# KiCad board BACKUP_PCB.kicad_pcb (continued)
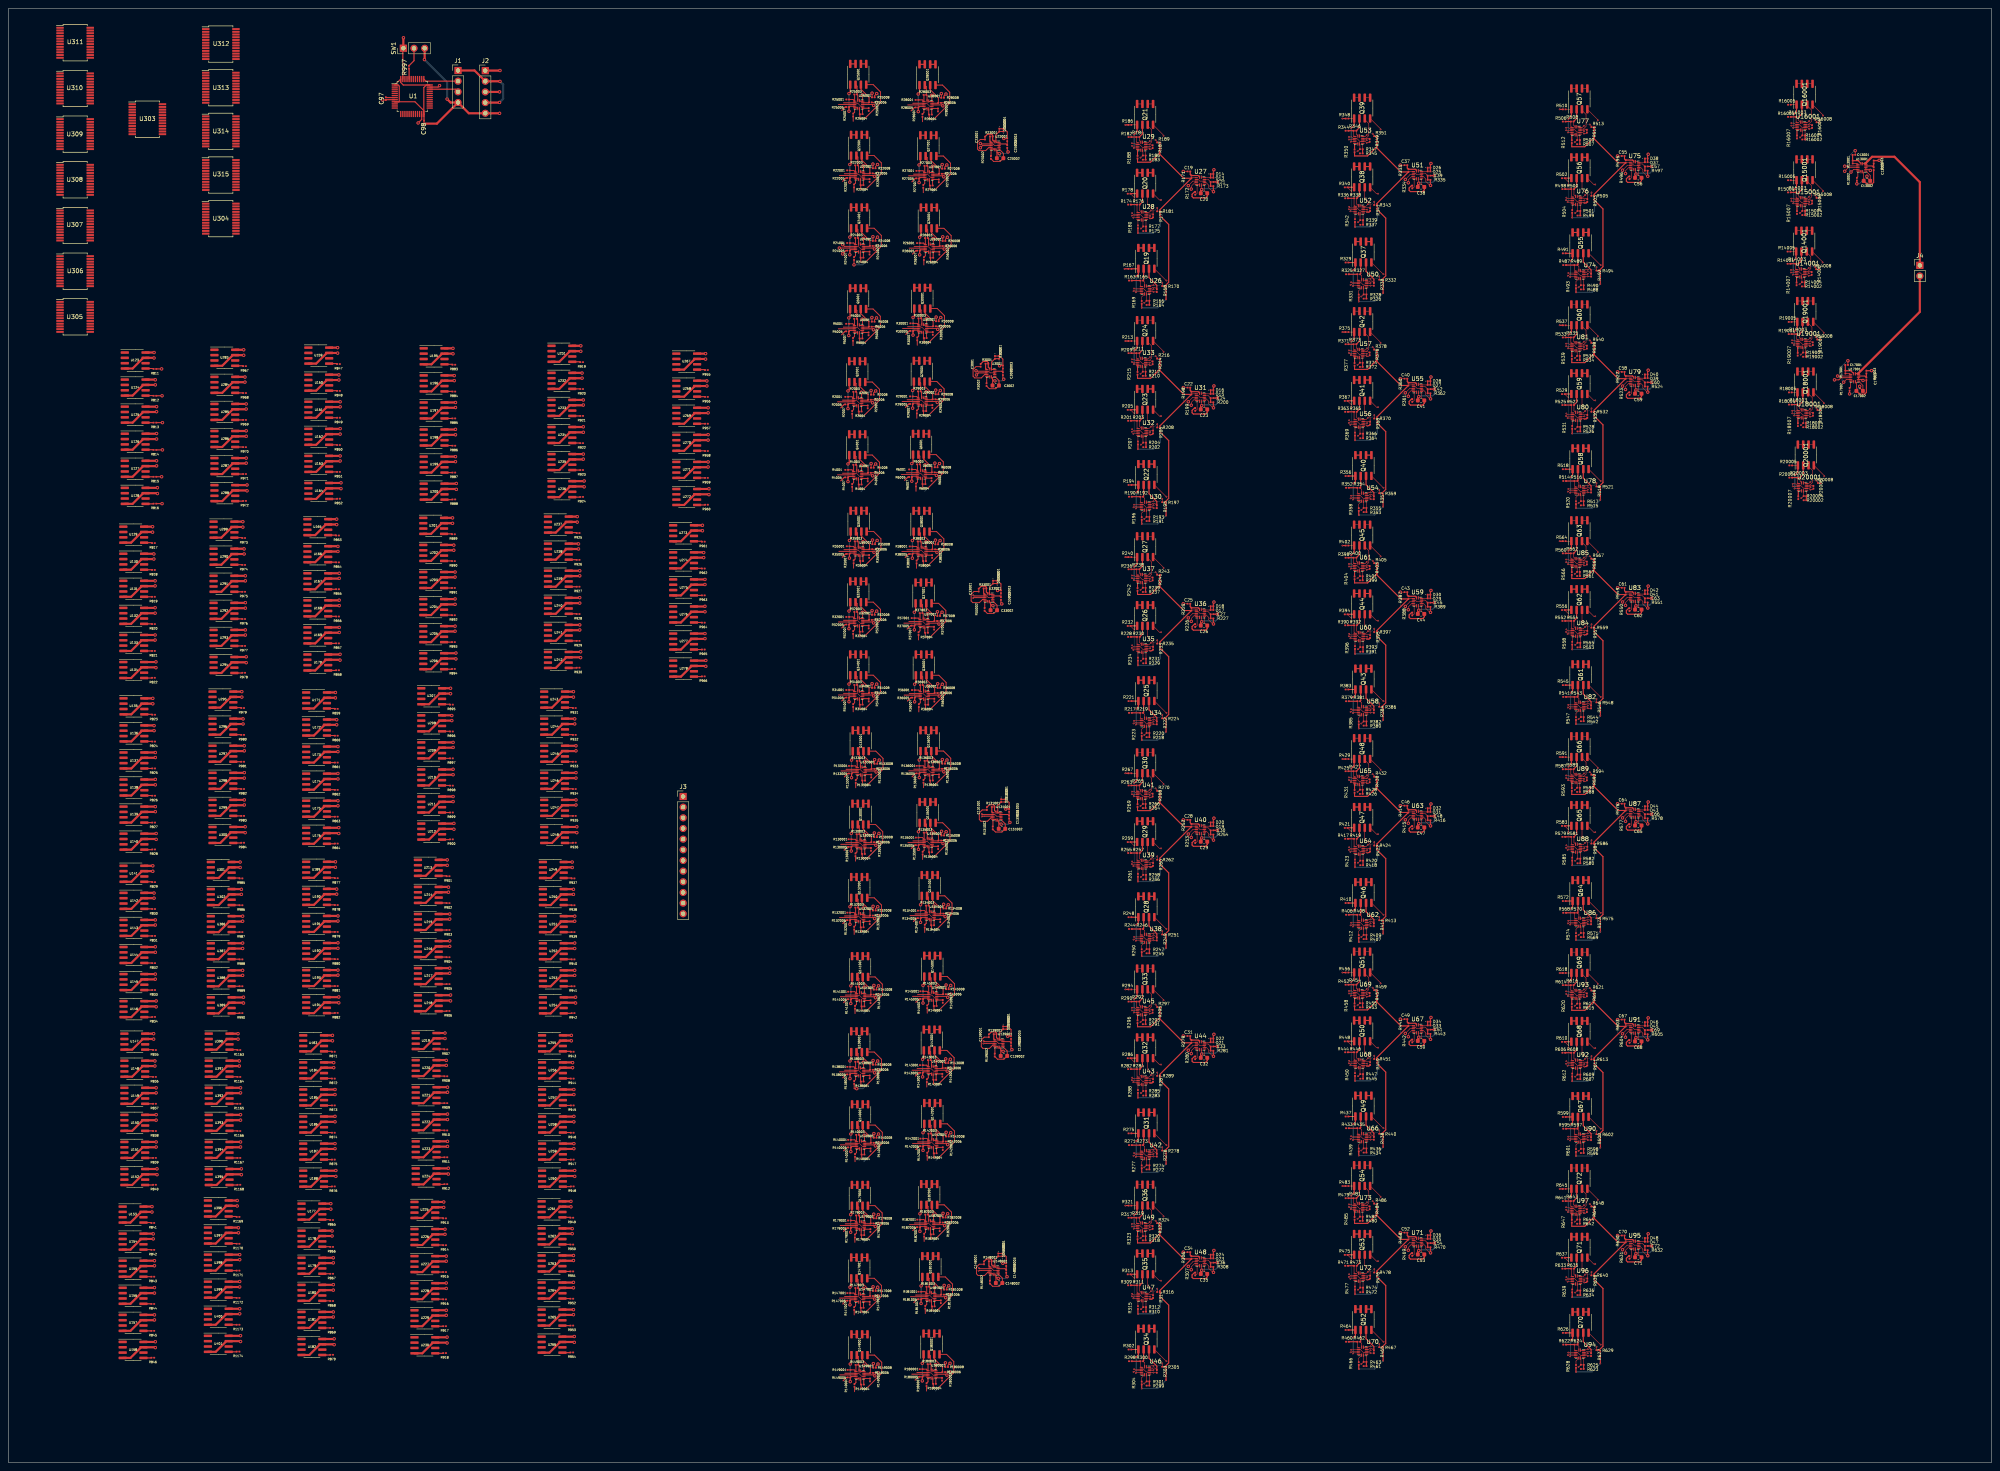
[diagram p0: board, top side]
## Routing (per net, layer and track width the routed paths; a pad name or vN(x,y) marks a point on that pad's centre or on a via; arc(x,y) is an arc through that point) (continued)
Net-(Q18001A-G1): length 4.6
  Top w0.1: R18003.2 426.68,251.23 U18001.14
  Top w0.25: Q18001.2 427.42,252.84 R18003.2
Net-(Q18001A-S1): length 8.2
  Top w0.1: R18005.2 426.13,255 ; v1(425.36,249.5) U18001.4
  Top w0.25: v1(425.46,252.7) 426.15,253.39 Q18001.1
  Bottom w0.25: v1(425.36,249.5) 425.46,249.6 v1(425.46,252.7)
Net-(Q18001B-G2): length 15.1
  Top w0.1: v1(432.46,252.4) 432.46,252.53 Q18001.4 ; U18001.7 427.54,248.87 R18004.2 427.04,247.2 v1(426.96,247.2)
  In1.Cu w0.1: v1(426.96,247.2) 430.16,247.2 432.46,249.5 v1(432.46,252.4)
Net-(Q18001B-S2): length 6.9
  Top w0.1: 428.96,250.3 428.99,250.3 429.66,250.96 429.66,253.79 428.69,254.75 ; 428.96,250.3 U18001.11 ; 428.96,250.3 429.48,250.3 429.66,250.12 R18006.2
Net-(Q19001A-G1): length 4.6
  Top w0.1: R19003.2 426.63,268.03 U19001.14
  Top w0.25: Q19001.2 427.37,269.64 R19003.2
Net-(Q19001A-S1): length 8.2
  Top w0.1: v1(425.31,266.3) U19001.4 ; R19005.2 426.08,271.8
  Top w0.25: Q19001.1 426.1,270.19 v1(425.41,269.5)
  Bottom w0.25: v1(425.31,266.3) 425.41,266.4 v1(425.41,269.5)
Net-(Q19001B-G2): length 15.1
  Top w0.1: Q19001.4 432.41,269.33 v1(432.41,269.2) ; U19001.7 427.49,265.67 R19004.2 426.99,264 v1(426.91,264)
  In1.Cu w0.1: v1(426.91,264) 430.11,264 432.41,266.3 v1(432.41,269.2)
Net-(Q19001B-S2): length 6.9
  Top w0.1: 428.91,267.1 429.43,267.1 429.61,266.92 R19006.2 ; 428.91,267.1 U19001.11 ; 428.91,267.1 428.94,267.1 429.61,267.76 429.61,270.59 428.64,271.55
Net-(Q20001A-G1): length 4.6
  Top w0.1: R20003.2 426.78,233.83 U20001.14
  Top w0.25: Q20001.2 427.52,235.44 R20003.2
Net-(Q20001A-S1): length 8.2
  Top w0.1: R20005.2 426.23,237.6 ; v1(425.46,232.1) U20001.4
  Top w0.25: v1(425.56,235.3) 426.25,235.99 Q20001.1
  Bottom w0.25: v1(425.46,232.1) 425.56,232.2 v1(425.56,235.3)
Net-(Q20001B-G2): length 15.1
  Top w0.1: v1(427.06,229.8) 427.14,229.8 R20004.2 427.64,231.47 U20001.7 ; v1(432.56,235) 432.56,235.13 Q20001.4
  In1.Cu w0.1: v1(427.06,229.8) 430.26,229.8 432.56,232.1 v1(432.56,235)
Net-(Q20001B-S2): length 6.9
  Top w0.1: R20006.2 429.76,232.72 429.58,232.9 429.06,232.9 ; 429.06,232.9 429.09,232.9 429.76,233.56 429.76,236.39 428.79,237.35 ; 429.06,232.9 U20001.11
Net-(Q22001A-G1): length 4
  Top w0.2: Q22001.2 202.35,311.07 R22003.2 202.53,308.92 U22001.14
Net-(Q22001A-S1): length 8.9
  Top w0.2: U22001.4 200.65,306.3 R22005.2
  Top w0.25: R22005.2 200.43,306.08 v2(200.43,305.1) ; Q22001.1 200.72,309.6 v2(200.43,309.3)
  Bottom w0.25: v2(200.43,309.3) v2(200.43,305.1)
Net-(Q22001B-G2): length 15.5
  Top w0.2: U22001.7 202.93,304.48 R22004.2 203.03,304.38 203.03,303.4 204.22,303.4 207.93,307.11 207.93,309.7 206.2,311.43 Q22001.4
Net-(Q22001B-S2): length 6.6
  Top w0.2: Q22001.3 203.26,310.35 205.21,308.41 R22006.2 205.11,307.1 U22001.11
Net-(Q24001A-G1): length 4
  Top w0.2: U24001.14 202.53,291.62 R24003.2 202.35,293.77 Q24001.2
Net-(Q24001A-S1): length 8.9
  Top w0.2: U24001.4 200.65,289 R24005.2
  Top w0.25: R24005.2 200.43,288.78 v2(200.43,287.8) ; v2(200.43,292) 200.72,292.3 Q24001.1
  Bottom w0.25: v2(200.43,292) v2(200.43,287.8)
Net-(Q24001B-G2): length 15.5
  Top w0.2: Q24001.4 206.2,294.12 207.93,292.4 207.93,289.81 204.22,286.1 203.03,286.1 203.03,287.08 R24004.2 202.93,287.18 U24001.7
Net-(Q24001B-S2): length 6.6
  Top w0.2: U24001.11 205.11,289.8 R24006.2 205.21,291.11 203.26,293.05 Q24001.3
Net-(Q25001A-G1): length 4
  Top w0.2: U25001.14 202.33,325.82 R25003.2 202.15,327.97 Q25001.2
Net-(Q25001A-S1): length 8.9
  Top w0.2: U25001.4 200.45,323.2 R25005.2
  Top w0.25: Q25001.1 200.52,326.5 v2(200.23,326.2) ; R25005.2 200.23,322.98 v2(200.23,322)
  Bottom w0.25: v2(200.23,326.2) v2(200.23,322)
Net-(Q25001B-G2): length 15.5
  Top w0.2: Q25001.4 206,328.32 207.73,326.6 207.73,324.01 204.02,320.3 202.83,320.3 202.83,321.28 R25004.2 202.73,321.38 U25001.7
Net-(Q25001B-S2): length 6.6
  Top w0.2: U25001.11 204.91,324 R25006.2 205.01,325.31 203.06,327.25 Q25001.3
Net-(Q26001A-G1): length 4
  Top w0.2: U26001.14 219.16,291.6 R26003.2 218.98,293.75 Q26001.2
Net-(Q26001A-S1): length 8.9
  Top w0.2: U26001.4 217.28,288.98 R26005.2
  Top w0.25: v2(217.06,291.98) 217.36,292.27 Q26001.1 ; v2(217.06,287.77) 217.06,288.75 R26005.2
  Bottom w0.25: v2(217.06,291.98) v2(217.06,287.77)
Net-(Q26001B-G2): length 15.5
  Top w0.2: U26001.7 219.56,287.15 R26004.2 219.66,287.06 219.66,286.07 220.85,286.07 224.56,289.79 224.56,292.38 222.84,294.1 Q26001.4
Net-(Q26001B-S2): length 6.6
  Top w0.2: U26001.11 221.74,289.77 R26006.2 221.84,291.08 219.9,293.03 Q26001.3
Net-(Q27001A-G1): length 4
  Top w0.2: Q27001.2 218.85,310.97 R27003.2 219.03,308.82 U27001.14
Net-(Q27001A-S1): length 8.9
  Top w0.2: R27005.2 217.15,306.2 U27001.4
  Top w0.25: R27005.2 216.93,305.98 v2(216.93,305) ; Q27001.1 217.22,309.5 v2(216.93,309.2)
  Bottom w0.25: v2(216.93,309.2) v2(216.93,305)
Net-(Q27001B-G2): length 15.5
  Top w0.2: Q27001.4 222.7,311.32 224.43,309.6 224.43,307.01 220.72,303.3 219.53,303.3 219.53,304.28 R27004.2 219.43,304.38 U27001.7
Net-(Q27001B-S2): length 6.6
  Top w0.2: Q27001.3 219.76,310.25 221.71,308.31 R27006.2 221.61,307 U27001.11
Net-(Q28001A-G1): length 4
  Top w0.2: Q28001.2 218.65,327.87 R28003.2 218.83,325.72 U28001.14
Net-(Q28001A-S1): length 8.9
  Top w0.2: R28005.2 216.95,323.1 U28001.4
  Top w0.25: R28005.2 216.73,322.88 v2(216.73,321.9) ; v2(216.73,326.1) 217.02,326.39 Q28001.1
  Bottom w0.25: v2(216.73,326.1) v2(216.73,321.9)
Net-(Q28001B-G2): length 15.5
  Top w0.2: U28001.7 219.23,321.28 R28004.2 219.33,321.18 219.33,320.2 220.52,320.2 224.23,323.91 224.23,326.5 222.5,328.23 Q28001.4
Net-(Q28001B-S2): length 6.6
  Top w0.2: Q28001.3 219.56,327.15 221.51,325.21 R28006.2 221.41,323.9 U28001.11
Net-(Q29001A-G1): length 4
  Top w0.2: U29001.14 217.49,255.07 R29003.2 217.31,257.22 Q29001.2
Net-(Q29001A-S1): length 8.9
  Top w0.2: R29005.2 215.61,252.45 U29001.4
  Top w0.25: v2(215.39,251.25) 215.39,252.23 R29005.2 ; v2(215.39,255.45) 215.68,255.75 Q29001.1
  Bottom w0.25: v2(215.39,255.45) v2(215.39,251.25)
Net-(Q29001B-G2): length 15.5
  Top w0.2: U29001.7 217.89,250.63 R29004.2 217.99,250.53 217.99,249.55 219.18,249.55 222.89,253.26 222.89,255.85 221.16,257.57 Q29001.4
Net-(Q29001B-S2): length 6.6
  Top w0.2: Q29001.3 218.22,256.5 220.17,254.56 R29006.2 220.07,253.25 U29001.11
Net-(Q30001A-G1): length 4
  Top w0.2: U30001.14 217.59,272.47 R30003.2 217.41,274.62 Q30001.2
Net-(Q30001A-S1): length 8.9
  Top w0.2: R30005.2 215.71,269.85 U30001.4
  Top w0.25: R30005.2 215.49,269.63 v2(215.49,268.65) ; Q30001.1 215.78,273.14 v2(215.49,272.85)
  Bottom w0.25: v2(215.49,272.85) v2(215.49,268.65)
Net-(Q30001B-G2): length 15.5
  Top w0.2: Q30001.4 221.26,274.98 222.99,273.25 222.99,270.66 219.28,266.95 218.09,266.95 218.09,267.93 R30004.2 217.99,268.03 U30001.7
Net-(Q30001B-S2): length 6.6
  Top w0.2: U30001.11 220.17,270.65 R30006.2 220.27,271.96 218.32,273.9 Q30001.3
Net-(Q32001A-G1): length 4
  Top w0.2: Q32001.2 202.15,204.67 R32003.2 202.33,202.52 U32001.14
Net-(Q32001A-S1): length 8.9
  Top w0.2: R32005.2 200.45,199.9 U32001.4
  Top w0.25: R32005.2 200.23,199.68 v2(200.23,198.7) ; Q32001.1 200.52,203.19 v2(200.23,202.9)
  Bottom w0.25: v2(200.23,202.9) v2(200.23,198.7)
Net-(Q32001B-G2): length 15.5
  Top w0.2: U32001.7 202.73,198.08 R32004.2 202.83,197.98 202.83,197 204.02,197 207.73,200.71 207.73,203.3 206,205.03 Q32001.4
Net-(Q32001B-S2): length 6.6
  Top w0.2: Q32001.3 203.06,203.95 205.01,202.01 R32006.2 204.91,200.7 U32001.11
Net-(Q34001A-G1): length 4
  Top w0.2: U34001.14 202.33,185.12 R34003.2 202.15,187.27 Q34001.2
Net-(Q34001A-S1): length 8.9
  Top w0.2: U34001.4 200.45,182.5 R34005.2
  Top w0.25: v2(200.23,181.3) 200.23,182.28 R34005.2 ; Q34001.1 200.52,185.79 v2(200.23,185.5)
  Bottom w0.25: v2(200.23,185.5) v2(200.23,181.3)
Net-(Q34001B-G2): length 15.5
  Top w0.2: U34001.7 202.73,180.68 R34004.2 202.83,180.58 202.83,179.6 204.02,179.6 207.73,183.31 207.73,185.9 206,187.62 Q34001.4
Net-(Q34001B-S2): length 6.6
  Top w0.2: U34001.11 204.91,183.3 R34006.2 205.01,184.61 203.06,186.55 Q34001.3
Net-(Q35001A-G1): length 4
  Top w0.2: Q35001.2 202.25,221.5 R35003.2 202.43,219.34 U35001.14
Net-(Q35001A-S1): length 8.9
  Top w0.2: R35005.2 200.55,216.72 U35001.4
  Top w0.25: Q35001.1 200.63,220.02 v2(200.33,219.72) ; v2(200.33,215.53) 200.33,216.5 R35005.2
  Bottom w0.25: v2(200.33,219.72) v2(200.33,215.53)
Net-(Q35001B-G2): length 15.5
  Top w0.2: U35001.7 202.83,214.91 R35004.2 202.93,214.81 202.93,213.82 204.12,213.82 207.83,217.54 207.83,220.12 206.11,221.85 Q35001.4
Net-(Q35001B-S2): length 6.6
  Top w0.2: U35001.11 205.01,217.53 R35006.2 205.11,218.83 203.17,220.78 Q35001.3
Net-(Q36001A-G1): length 4
  Top w0.2: Q36001.2 217.78,187.25 R36003.2 217.96,185.09 U36001.14
Net-(Q36001A-S1): length 8.9
  Top w0.2: R36005.2 216.08,182.47 U36001.4
  Top w0.25: v2(215.86,185.47) 216.16,185.77 Q36001.1 ; v2(215.86,181.28) 215.86,182.25 R36005.2
  Bottom w0.25: v2(215.86,185.47) v2(215.86,181.28)
Net-(Q36001B-G2): length 15.5
  Top w0.2: U36001.7 218.36,180.66 R36004.2 218.46,180.56 218.46,179.57 219.65,179.57 223.36,183.29 223.36,185.88 221.64,187.6 Q36001.4
Net-(Q36001B-S2): length 6.6
  Top w0.2: Q36001.3 218.7,186.53 220.64,184.58 R36006.2 220.54,183.28 U36001.11
Net-(Q37001A-G1): length 4
  Top w0.2: Q37001.2 217.72,204.4 R37003.2 217.9,202.25 U37001.14
Net-(Q37001A-S1): length 8.9
  Top w0.2: U37001.4 216.02,199.62 R37005.2
  Top w0.25: v2(215.8,198.43) 215.8,199.41 R37005.2 ; Q37001.1 216.09,202.92 v2(215.8,202.62)
  Bottom w0.25: v2(215.8,202.62) v2(215.8,198.43)
Net-(Q37001B-G2): length 15.5
  Top w0.2: U37001.7 218.3,197.81 R37004.2 218.4,197.71 218.4,196.72 219.59,196.72 223.3,200.44 223.3,203.03 221.57,204.75 Q37001.4
Net-(Q37001B-S2): length 6.6
  Top w0.2: Q37001.3 218.63,203.68 220.58,201.73 R37006.2 220.48,200.43 U37001.11
Net-(Q38001A-G1): length 4
  Top w0.2: 216.89,221.82 217.25,221.47 R38003.2 217.43,219.32 U38001.14
Net-(Q38001A-S1): length 8.9
  Top w0.2: U38001.4 215.55,216.7 R38005.2
  Top w0.25: v2(215.33,219.7) 215.62,220 215.62,221.82 ; v2(215.33,215.5) 215.33,216.48 R38005.2
  Bottom w0.25: v2(215.33,219.7) v2(215.33,215.5)
Net-(Q38001B-G2): length 15.5
  Top w0.2: 219.43,221.82 221.1,221.82 222.83,220.1 222.83,217.51 219.12,213.8 217.93,213.8 217.93,214.78 R38004.2 217.83,214.88 U38001.7
Net-(Q38001B-S2): length 6.6
  Top w0.2: 218.16,221.82 218.16,220.75 220.11,218.81 R38006.2 220.01,217.5 U38001.11
Net-(Q130001A-G1): length 4
  Top w0.2: Q130001.2 202.69,151.69 R130003.2 202.87,149.54 202.87,148.28
Net-(Q130001A-S1): length 8.9
  Top w0.2: R130005.2 200.99,146.93 U130001.4
  Top w0.25: v2(200.77,145.72) 200.77,146.71 R130005.2 ; v2(200.77,149.93) 201.07,150.22 Q130001.1
  Bottom w0.25: v2(200.77,149.93) v2(200.77,145.72)
Net-(Q130001B-G2): length 15.5
  Top w0.2: Q130001.4 206.55,152.05 208.27,150.32 208.27,147.74 204.56,144.03 203.37,144.03 203.37,145 R130004.2 203.27,145.1 U130001.7
Net-(Q130001B-S2): length 6.6
  Top w0.2: U130001.11 205.45,147.72 R130006.2 205.55,149.03 203.61,150.98 Q130001.3
Net-(Q132001A-G1): length 4
  Top w0.2: U132001.14 202.57,132.07 R132003.2 202.39,134.22 Q132001.2
Net-(Q132001A-S1): length 8.9
  Top w0.2: U132001.4 200.69,129.45 R132005.2
  Top w0.25: Q132001.1 200.76,132.75 v2(200.47,132.45) ; v2(200.47,128.25) 200.47,129.23 R132005.2
  Bottom w0.25: v2(200.47,132.45) v2(200.47,128.25)
Net-(Q132001B-G2): length 15.5
  Top w0.2: U132001.7 202.97,127.63 R132004.2 203.07,127.53 203.07,126.55 204.26,126.55 207.97,130.26 207.97,132.85 206.24,134.57 Q132001.4
Net-(Q132001B-S2): length 6.6
  Top w0.2: U132001.11 205.15,130.25 R132006.2 205.25,131.56 203.3,133.5 Q132001.3
Net-(Q133001A-G1): length 4
  Top w0.2: U133001.14 202.94,167.02 R133003.2 202.76,169.17 Q133001.2
Net-(Q133001A-S1): length 8.9
  Top w0.2: R133005.2 201.06,164.4 U133001.4
  Top w0.25: v2(200.84,163.2) 200.84,164.18 R133005.2 ; v2(200.84,167.4) 201.13,167.69 Q133001.1
  Bottom w0.25: v2(200.84,167.4) v2(200.84,163.2)
Net-(Q133001B-G2): length 15.5
  Top w0.2: Q133001.4 206.61,169.53 208.34,167.8 208.34,165.21 204.63,161.5 203.44,161.5 203.44,162.48 R133004.2 203.34,162.58 U133001.7
Net-(Q133001B-S2): length 6.6
  Top w0.2: U133001.11 205.52,165.2 R133006.2 205.62,166.51 203.67,168.45 Q133001.3
Net-(Q134001A-G1): length 4
  Top w0.2: 219.37,131.28 219.37,132.54 R134003.2 219.19,134.69 Q134001.2
Net-(Q134001A-S1): length 8.9
  Top w0.2: R134005.2 217.49,129.93 U134001.4
  Top w0.25: v2(217.27,128.72) 217.27,129.71 R134005.2 ; v2(217.27,132.93) 217.57,133.22 Q134001.1
  Bottom w0.25: v2(217.27,132.93) v2(217.27,128.72)
Net-(Q134001B-G2): length 15.5
  Top w0.2: Q134001.4 223.05,135.05 224.77,133.32 224.77,130.74 221.06,127.03 219.87,127.03 219.87,128 R134004.2 219.77,128.1 U134001.7
Net-(Q134001B-S2): length 6.6
  Top w0.2: Q134001.3 220.11,133.98 222.05,132.03 R134006.2 221.95,130.72 U134001.11
Net-(Q135001A-G1): length 4
  Top w0.2: Q135001.2 218.69,152.09 R135003.2 218.87,149.94 218.87,148.68
Net-(Q135001A-S1): length 8.9
  Top w0.2: R135005.2 216.99,147.32 U135001.4
  Top w0.25: Q135001.1 217.07,150.62 v2(216.77,150.32) ; R135005.2 216.77,147.1 v2(216.77,146.12)
  Bottom w0.25: v2(216.77,150.32) v2(216.77,146.12)
Net-(Q135001B-G2): length 15.5
  Top w0.2: Q135001.4 222.55,152.45 224.27,150.72 224.27,148.14 220.56,144.43 219.37,144.43 219.37,145.41 R135004.2 219.27,145.5 U135001.7
Net-(Q135001B-S2): length 6.6
  Top w0.2: U135001.11 221.45,148.12 R135006.2 221.55,149.43 219.61,151.38 Q135001.3
Net-(Q136001A-G1): length 4
  Top w0.2: 219.07,165.78 219.07,167.04 R136003.2 218.89,169.19 Q136001.2
Net-(Q136001A-S1): length 8.9
  Top w0.2: R136005.2 217.19,164.43 U136001.4
  Top w0.25: v2(216.97,167.43) 217.27,167.72 Q136001.1 ; v2(216.97,163.22) 216.97,164.21 R136005.2
  Bottom w0.25: v2(216.97,167.43) v2(216.97,163.22)
Net-(Q136001B-G2): length 15.5
  Top w0.2: Q136001.4 222.75,169.55 224.47,167.82 224.47,165.24 220.76,161.53 219.57,161.53 219.57,162.5 R136004.2 219.47,162.6 U136001.7
Net-(Q136001B-S2): length 6.6
  Top w0.2: U136001.11 221.65,165.22 R136006.2 221.75,166.53 219.81,168.48 Q136001.3
Net-(Q138001A-G1): length 4
  Top w0.2: U138001.14 202.57,95.32 R138003.2 202.39,97.47 Q138001.2
Net-(Q138001A-S1): length 8.9
  Top w0.2: R138005.2 200.69,92.7 U138001.4
  Top w0.25: R138005.2 200.47,92.48 v2(200.47,91.5) ; v2(200.47,95.7) 200.76,96 Q138001.1
  Bottom w0.25: v2(200.47,95.7) v2(200.47,91.5)
Net-(Q138001B-G2): length 15.5
  Top w0.2: Q138001.4 206.24,97.82 207.97,96.1 207.97,93.51 204.26,89.8 203.07,89.8 203.07,90.78 R138004.2 202.97,90.88 U138001.7
Net-(Q138001B-S2): length 6.6
  Top w0.2: U138001.11 205.15,93.5 R138006.2 205.25,94.81 203.3,96.75 Q138001.3
Net-(Q140001A-G1): length 4
  Top w0.2: U140001.14 202.77,77.92 R140003.2 202.59,80.07 Q140001.2
Net-(Q140001A-S1): length 8.9
  Top w0.2: U140001.4 200.89,75.3 R140005.2
  Top w0.25: v2(200.67,78.3) 200.96,78.6 Q140001.1 ; R140005.2 200.67,75.08 v2(200.67,74.1)
  Bottom w0.25: v2(200.67,78.3) v2(200.67,74.1)
Net-(Q140001B-G2): length 15.5
  Top w0.2: U140001.7 203.17,73.48 R140004.2 203.27,73.38 203.27,72.4 204.46,72.4 208.17,76.11 208.17,78.7 206.44,80.43 Q140001.4
Net-(Q140001B-S2): length 6.6
  Top w0.2: U140001.11 205.35,76.1 R140006.2 205.45,77.41 203.5,79.35 Q140001.3
Net-(Q141001A-G1): length 4
  Top w0.2: U141001.14 202.77,113.22 R141003.2 202.59,115.37 Q141001.2
Net-(Q141001A-S1): length 8.9
  Top w0.2: U141001.4 200.89,110.6 R141005.2
  Top w0.25: v2(200.67,109.4) 200.67,110.38 R141005.2 ; v2(200.67,113.6) 200.96,113.9 Q141001.1
  Bottom w0.25: v2(200.67,113.6) v2(200.67,109.4)
Net-(Q141001B-G2): length 15.5
  Top w0.2: Q141001.4 206.44,115.72 208.17,114 208.17,111.41 204.46,107.7 203.27,107.7 203.27,108.68 R141004.2 203.17,108.78 U141001.7
Net-(Q141001B-S2): length 6.6
  Top w0.2: U141001.11 205.35,111.4 R141006.2 205.45,112.71 203.5,114.65 Q141001.3
Net-(Q142001A-G1): length 4
  Top w0.2: U142001.14 219.97,78.22 R142003.2 219.79,80.37 Q142001.2
Net-(Q142001A-S1): length 8.9
  Top w0.2: R142005.2 218.09,75.6 U142001.4
  Top w0.25: Q142001.1 218.16,78.89 v2(217.87,78.6) ; v2(217.87,74.4) 217.87,75.38 R142005.2
  Bottom w0.25: v2(217.87,78.6) v2(217.87,74.4)
Net-(Q142001B-G2): length 15.5
  Top w0.2: U142001.7 220.37,73.78 R142004.2 220.47,73.68 220.47,72.7 221.66,72.7 225.37,76.41 225.37,79 223.64,80.73 Q142001.4
Net-(Q142001B-S2): length 6.6
  Top w0.2: U142001.11 222.55,76.4 R142006.2 222.65,77.71 220.7,79.65 Q142001.3
Net-(Q143001A-G1): length 4
  Top w0.2: U143001.14 219.87,95.72 R143003.2 219.69,97.87 219.33,98.23
Net-(Q143001A-S1): length 8.9
  Top w0.2: R143005.2 217.99,93.1 U143001.4
  Top w0.25: 218.06,98.23 218.06,96.39 v2(217.77,96.1) ; v2(217.77,91.9) 217.77,92.88 R143005.2
  Bottom w0.25: v2(217.77,96.1) v2(217.77,91.9)
Net-(Q143001B-G2): length 15.5
  Top w0.2: U143001.7 220.27,91.28 R143004.2 220.37,91.18 220.37,90.2 221.56,90.2 225.27,93.91 225.27,96.5 223.54,98.23 221.87,98.23
Net-(Q143001B-S2): length 6.6
  Top w0.2: U143001.11 222.45,93.9 R143006.2 222.55,95.21 220.6,97.15 220.6,98.23
Net-(Q145001A-G1): length 4
  Top w0.2: U145001.14 219.97,113.32 R145003.2 219.79,115.47 219.43,115.82
Net-(Q145001A-S1): length 8.9
  Top w0.2: U145001.4 218.09,110.7 R145005.2
  Top w0.25: v2(217.87,113.7) 218.16,114 218.16,115.82 ; v2(217.87,109.5) 217.87,110.48 R145005.2
  Bottom w0.25: v2(217.87,113.7) v2(217.87,109.5)
Net-(Q145001B-G2): length 15.5
  Top w0.2: 221.97,115.82 223.64,115.82 225.37,114.1 225.37,111.51 221.66,107.8 220.47,107.8 220.47,108.78 R145004.2 220.37,108.88 U145001.7
Net-(Q145001B-S2): length 6.6
  Top w0.2: U145001.11 222.55,111.5 R145006.2 222.65,112.81 220.7,114.75 220.7,115.82
Net-(Q147001A-G1): length 4
  Top w0.2: Q147001.2 202.39,43.56 R147003.2 202.57,41.41 U147001.14
Net-(Q147001A-S1): length 8.9
  Top w0.2: R147005.2 200.69,38.79 U147001.4
  Top w0.25: R147005.2 200.47,38.57 v2(200.47,37.59) ; v2(200.47,41.79) 200.76,42.09 Q147001.1
  Bottom w0.25: v2(200.47,41.79) v2(200.47,37.59)
Net-(Q147001B-G2): length 15.5
  Top w0.2: Q147001.4 206.24,43.92 207.97,42.19 207.97,39.6 204.26,35.89 203.07,35.89 203.07,36.87 R147004.2 202.97,36.97 U147001.7
Net-(Q147001B-S2): length 6.6
  Top w0.2: U147001.11 205.15,39.59 R147006.2 205.25,40.9 203.3,42.85 Q147001.3
Net-(Q149001A-G1): length 4
  Top w0.2: Q149001.2 202.45,25.26 R149003.2 202.63,23.11 U149001.14
Net-(Q149001A-S1): length 8.9
  Top w0.2: R149005.2 200.75,20.49 U149001.4
  Top w0.25: Q149001.1 200.83,23.79 v2(200.53,23.49) ; R149005.2 200.53,20.27 v2(200.53,19.29)
  Bottom w0.25: v2(200.53,23.49) v2(200.53,19.29)
Net-(Q149001B-G2): length 15.5
  Top w0.2: U149001.7 203.03,18.67 R149004.2 203.13,18.57 203.13,17.59 204.32,17.59 208.03,21.3 208.03,23.89 206.31,25.62 Q149001.4
Net-(Q149001B-S2): length 6.6
  Top w0.2: Q149001.3 203.37,24.55 205.31,22.6 R149006.2 205.21,21.29 U149001.11
Net-(Q179001A-G1): length 4
  Top w0.2: U179001.14 202.73,58.71 R179003.2 202.55,60.86 Q179001.2
Net-(Q179001A-S1): length 8.9
  Top w0.2: R179005.2 200.85,56.09 U179001.4
  Top w0.25: v2(200.63,54.89) 200.63,55.87 R179005.2 ; Q179001.1 200.93,59.39 v2(200.63,59.09)
  Bottom w0.25: v2(200.63,59.09) v2(200.63,54.89)
Net-(Q179001B-G2): length 15.5
  Top w0.2: U179001.7 203.13,54.27 R179004.2 203.23,54.17 203.23,53.19 204.42,53.19 208.13,56.9 208.13,59.49 206.41,61.22 Q179001.4
Net-(Q179001B-S2): length 6.6
  Top w0.2: U179001.11 205.31,56.89 R179006.2 205.41,58.2 203.47,60.15 Q179001.3
Net-(Q180001A-G1): length 4
  Top w0.2: Q180001.2 219.62,25.44 R180003.2 219.8,23.29 U180001.14
Net-(Q180001A-S1): length 8.9
  Top w0.2: R180005.2 217.92,20.67 U180001.4
  Top w0.25: v2(217.7,23.67) 217.99,23.96 Q180001.1 ; v2(217.7,19.47) 217.7,20.45 R180005.2
  Bottom w0.25: v2(217.7,23.67) v2(217.7,19.47)
Net-(Q180001B-G2): length 15.5
  Top w0.2: U180001.7 220.2,18.85 R180004.2 220.3,18.75 220.3,17.77 221.49,17.77 225.2,21.48 225.2,24.07 223.47,25.79 Q180001.4
Net-(Q180001B-S2): length 6.6
  Top w0.2: Q180001.3 220.53,24.72 222.48,22.78 R180006.2 222.38,21.47 U180001.11
Net-(Q181001A-G1): length 4
  Top w0.2: Q181001.2 219.32,43.89 R181003.2 219.5,41.74 U181001.14
Net-(Q181001A-S1): length 8.9
  Top w0.2: R181005.2 217.62,39.12 U181001.4
  Top w0.25: R181005.2 217.4,38.9 v2(217.4,37.92) ; Q181001.1 217.7,42.41 v2(217.4,42.12)
  Bottom w0.25: v2(217.4,42.12) v2(217.4,37.92)
Net-(Q181001B-G2): length 15.5
  Top w0.2: Q181001.4 223.18,44.24 224.9,42.52 224.9,39.93 221.19,36.22 220,36.22 220,37.2 R181004.2 219.9,37.3 U181001.7
Net-(Q181001B-S2): length 6.6
  Top w0.2: Q181001.3 220.24,43.17 222.18,41.23 R181006.2 222.08,39.92 U181001.11
Net-(Q182001A-G1): length 4
  Top w0.2: U182001.14 219.23,58.91 R182003.2 219.05,61.06 Q182001.2
Net-(Q182001A-S1): length 8.9
  Top w0.2: R182005.2 217.35,56.29 U182001.4
  Top w0.25: v2(217.13,59.29) 217.43,59.59 Q182001.1 ; v2(217.13,55.09) 217.13,56.07 R182005.2
  Bottom w0.25: v2(217.13,59.29) v2(217.13,55.09)
Net-(Q182001B-G2): length 15.5
  Top w0.2: U182001.7 219.63,54.47 R182004.2 219.73,54.37 219.73,53.39 220.92,53.39 224.63,57.1 224.63,59.69 222.91,61.42 Q182001.4
Net-(Q182001B-S2): length 6.6
  Top w0.2: Q182001.3 219.97,60.35 221.91,58.4 R182006.2 221.81,57.09 U182001.11
Net-(SW1-B): length 4.7
  Top w0.25: R997.2 96.61,334.04 SW1.2
Net-(U1-BOOT0): length 2.5
  Top w0.25: 95.45,332.13 U1.44
Net-(U1-VDD): length 34.1
  Top w0.25: 92,324.23 93.02,324.23 93.1,324.31 93.1,327.99 92.84,328.25 U1.1 U1.48 93.45,328.86 94.06,328.25 U1.36 99.56,328.25 98.95,327.64 U1.24 ; U1.24 99,321.29 C98.1 ; U1.24 98.95,322.14 96.84,324.25 U1.9
Net-(U26A--): length 3.6
  Top w0.1: U26.1 269.64,280.47 R165.1
  Top w0.25: R163.2 R165.1
Net-(U26B--): length 2.8
  Top w0.1: U26.5 270.51,278.6 U26.6 269.96,277.75 R169.1
Net-(U26C--): length 2.7
  Top w0.1: R166.1 271.78,278.57
  Top w0.25: R164.2 R166.1
Net-(U26D--): length 5
  Top w0.1: v1(274.86,281.15) 274.86,280.37 ; v1(272.76,280.55) 272.16,280.55 U26.12 271.21,280.2 U26.13
  Bottom w0.1: v1(272.76,280.55) 274.26,280.55 v1(274.86,281.15)
Net-(U27B-+): length 8.7
  Top w0.1: v2(281.76,303.45) 281.76,304.14 282.57,304.95 U27.4 ; C19.2 v2(279.86,307.65)
  Bottom w0.1: v2(279.86,307.65) 279.86,304.53 280.94,303.45 v2(281.76,303.45)
Net-(U27B--): length 3.4
  Top w0.1: U27.6 283.59,304.55 U27.5 283.14,304.4 283.14,302.44 282.84,302.13
Net-(U27C--): length 8.5
  Top w0.1: C20.1 284.89,303.12 U27.8
  Top w0.25: R172.2 282.5,302.77 281.96,302.22 281.96,301.65 282.26,301.35 285.16,301.35 285.57,301.76 C20.1
Net-(U27D-+): length 2.7
  Top w0.1: U27.11 285.77,305.75 C21.2
  Top w0.25: R173.1 C21.2
Net-(U28A--): length 3.5
  Top w0.1: U28.1 268.84,298.12 R176.1
  Top w0.25: R174.2 R176.1
Net-(U28B--): length 2.2
  Top w0.1: R180.1 269.06,296.2 ; U28.5 269.26,296.1 U28.6
Net-(U28C--): length 2.8
  Top w0.1: R177.1 270.98,296.22
  Top w0.25: R175.2 R177.1
Net-(U28D--): length 4.7
  Top w0.1: v1(272.16,298.35) 271.66,297.85 U28.12 270.86,298 U28.13 ; v1(273.66,298.95) 273.66,298.17
  Bottom w0.1: v1(273.66,298.95) 273.06,298.35 v1(272.16,298.35)
Net-(U29A--): length 2.8
  Top w0.1: R184.1 268.74,314.72 U29.1
  Top w0.25: R182.2 R184.1
Net-(U29B--): length 2.3
  Top w0.1: U29.5 269.61,312.85 U29.6
  Top w0.25: 269.01,312.82 268.98,312.82 268.96,312.8 R188.1
Net-(U29C--): length 2.4
  Top w0.1: R185.1 270.88,312.82
  Top w0.25: R185.1 R183.2
Net-(U29D--): length 4.2
  Top w0.1: R189.1 273.64,314.77 v1(273.26,315.15) ; v1(271.86,314.85) 271.46,314.45 U29.12 270.76,314.6 U29.13
  Bottom w0.1: v1(273.26,315.15) 272.16,315.15 v1(271.86,314.85)
Net-(U30A--): length 3.6
  Top w0.1: U30.1 269.64,228.97 R192.1
  Top w0.25: R190.2 R192.1
Net-(U30B--): length 2.8
  Top w0.1: R196.1 269.96,226.25 U30.6 270.51,227.1 U30.5
Net-(U30C--): length 2.7
  Top w0.1: R193.1 271.78,227.07
  Top w0.25: R191.2 R193.1
Net-(U30D--): length 5
  Top w0.1: U30.13 271.21,228.7 U30.12 272.16,229.05 v1(272.76,229.05) ; v1(274.86,229.65) 274.86,228.87
  Bottom w0.1: v1(274.86,229.65) 274.26,229.05 v1(272.76,229.05)
Net-(U31B-+): length 8.7
  Top w0.1: v2(281.76,251.95) 281.76,252.64 282.57,253.45 U31.4 ; C22.2 v2(279.86,256.15)
  Bottom w0.1: v2(279.86,256.15) 279.86,253.03 280.94,251.95 v2(281.76,251.95)
Net-(U31B--): length 3.4
  Top w0.1: 282.84,250.63 283.14,250.94 283.14,252.9 U31.5 283.59,253.05 U31.6
Net-(U31C--): length 8.5
  Top w0.1: U31.8 284.89,251.62 C23.1
  Top w0.25: R199.2 282.5,251.27 281.96,250.72 281.96,250.15 282.26,249.85 285.16,249.85 285.57,250.26 C23.1
Net-(U31D-+): length 2.7
  Top w0.1: U31.11 285.77,254.25 C24.2
  Top w0.25: R200.1 C24.2
Net-(U32A--): length 3.5
  Top w0.1: U32.1 268.84,246.62 R203.1
  Top w0.25: R201.2 R203.1
Net-(U32B--): length 2.2
  Top w0.1: U32.5 269.26,244.6 U32.6 ; R207.1 269.06,244.7
Net-(U32C--): length 2.8
  Top w0.1: R204.1 270.98,244.72
  Top w0.25: R202.2 R204.1
Net-(U32D--): length 4.7
  Top w0.1: v1(272.16,246.85) 271.66,246.35 U32.12 270.86,246.5 U32.13 ; v1(273.66,247.45) 273.66,246.67
  Bottom w0.1: v1(272.16,246.85) 273.06,246.85 v1(273.66,247.45)
